# Altium PCB PASS Capstone.PcbDoc (part 4 of 6) (continued)
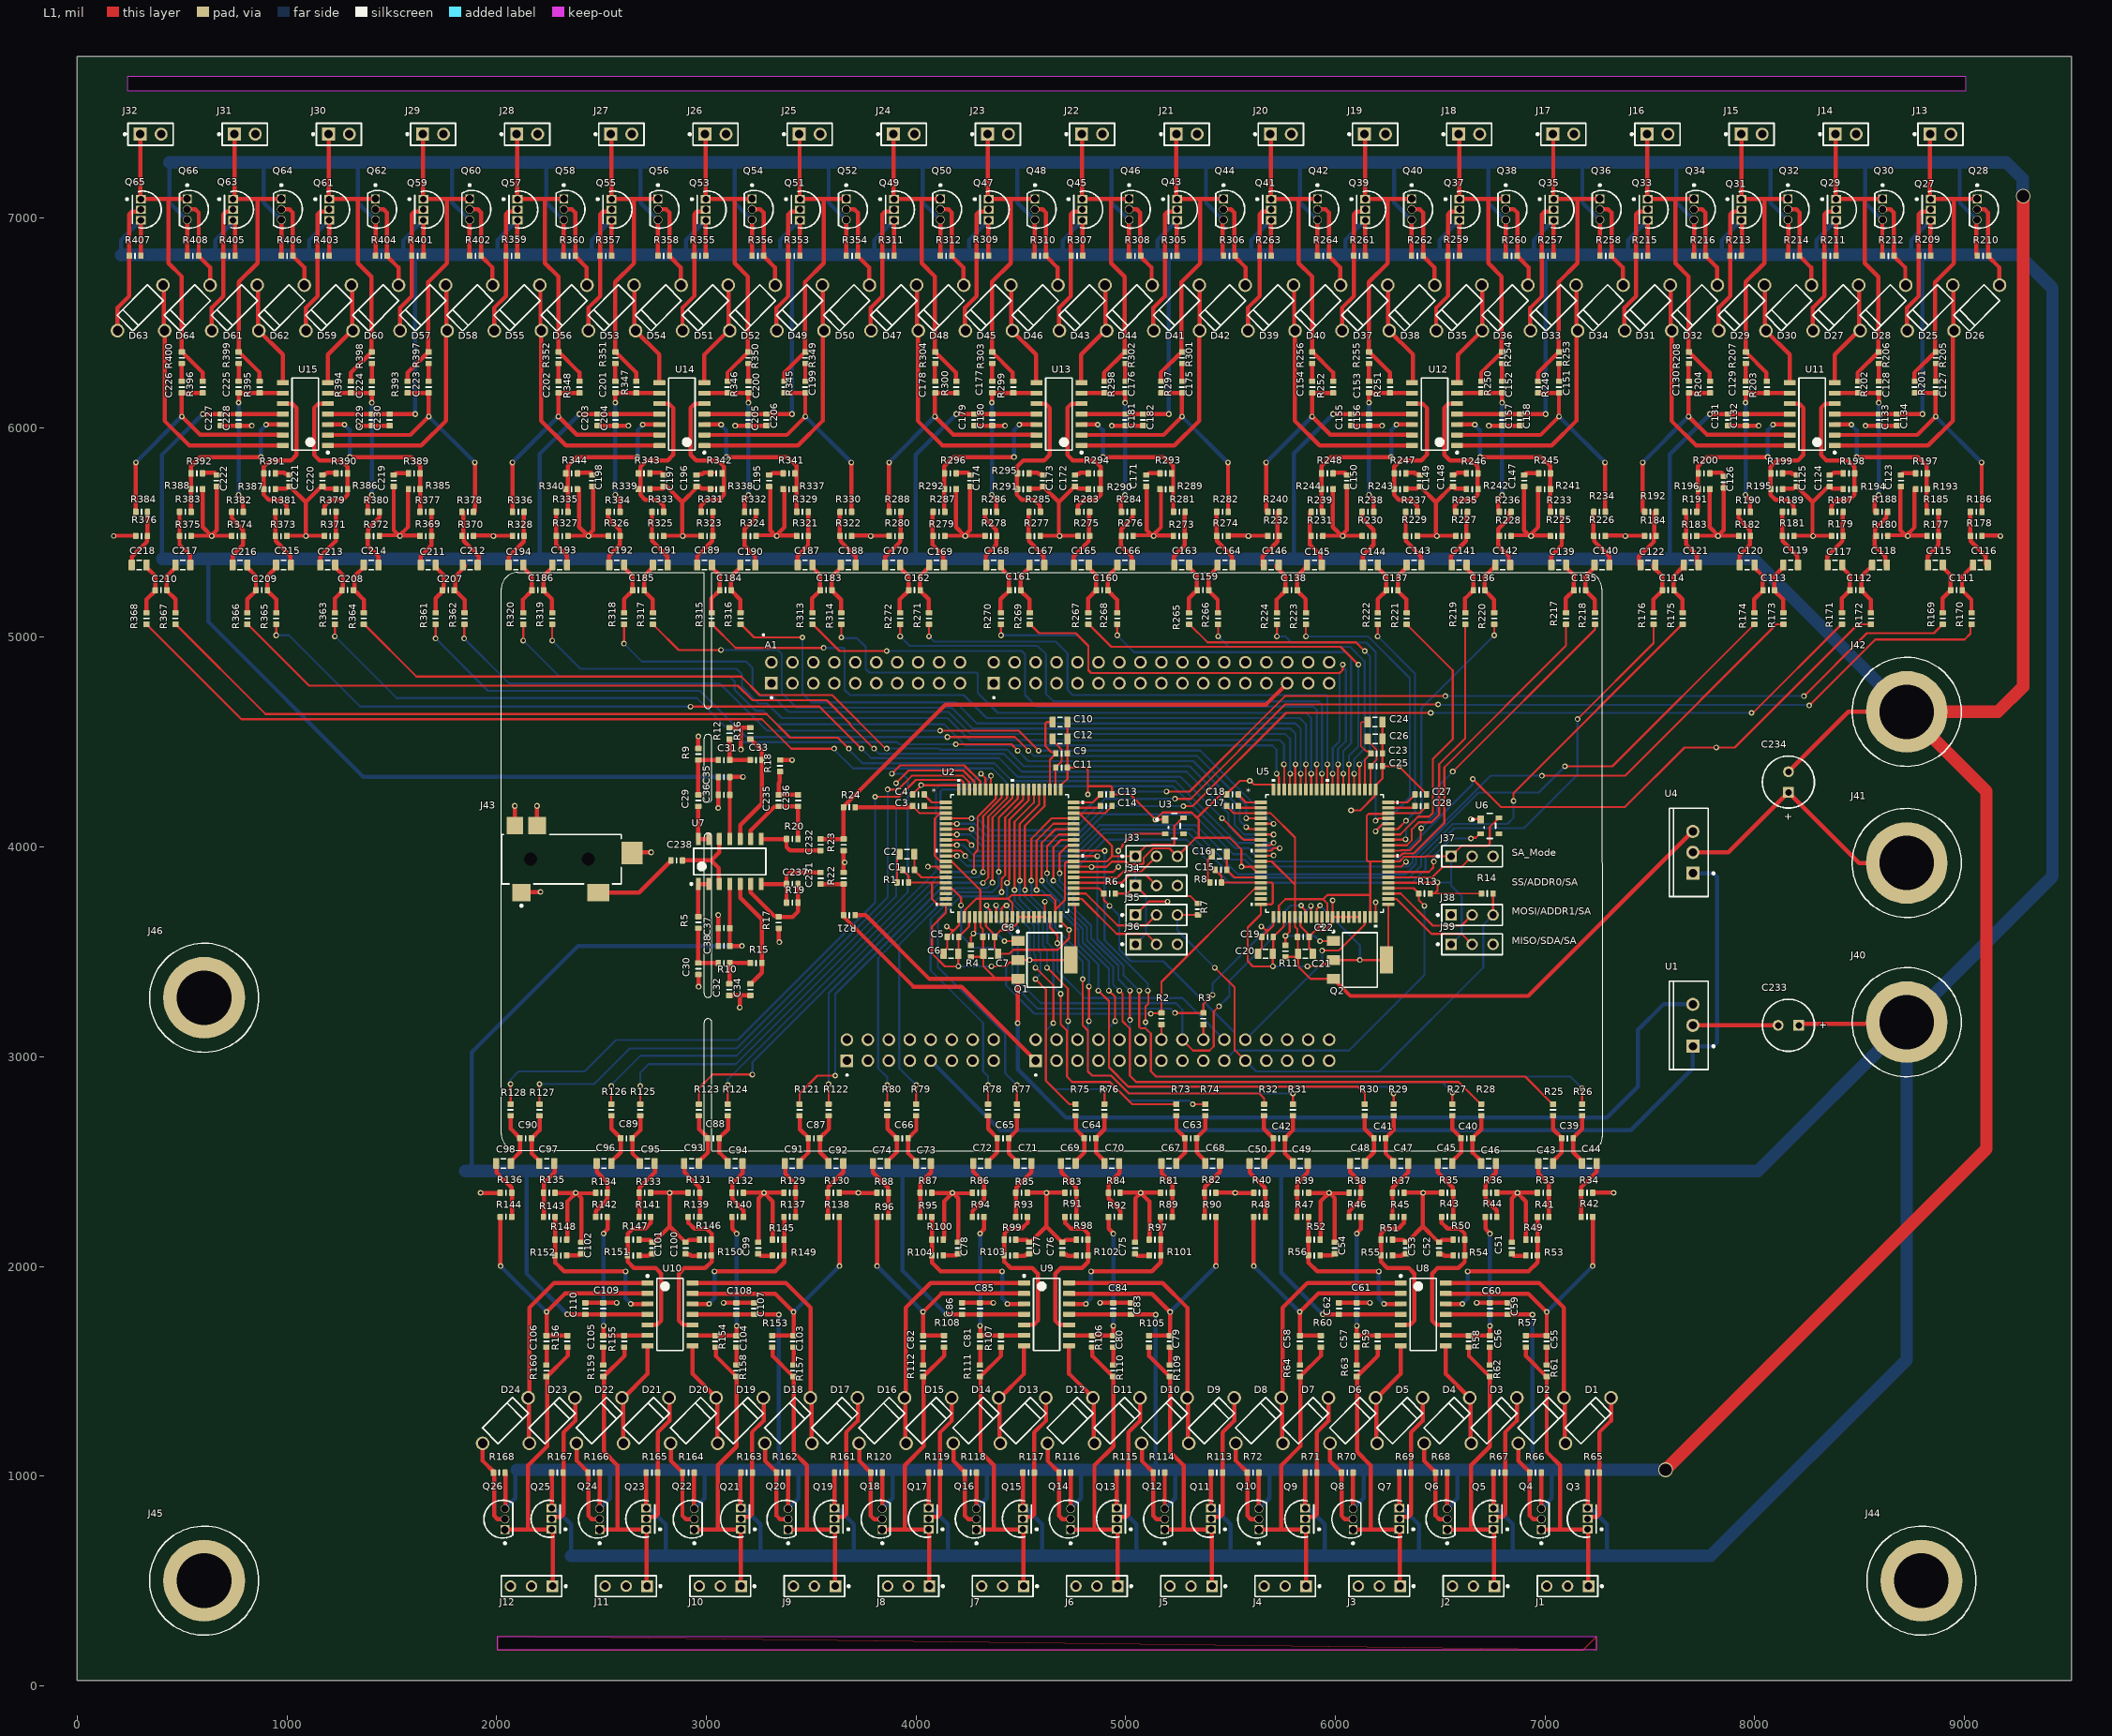
[diagram p0: L1 view]
## Nets (pads, with @x,y where several pads share a name; then routed paths per layer and width w, separated by ;. In a path a pad name is that pad's centre, name@x,y a point inside that pad or via, vN(x,y) a via of type N, cw(c..) or ccw(c..) an arc to the next point about the centre after c; other vN are vias at no path point) (continued)
  L1 w20: U13.2@4787.38,5965.63 5180.67,5965.63 5267.96,6052.91 5267.96,6165.59 R297.2@5167.96,6165.59 ; v1(5487.86,5834.63) 5488.23,5834.25 R282.1@5488.23,5600
  L2 w20: v1@5269.14,6053.13 5487.64,5834.63 v1(5487.86,5834.63)
  other v1: 5268.92,6053.13
NetC175_2: C175.2 R301.2 | length 84.9
  L1 w20: C175.2@5267.96,6220.71 R301.2@5267.96,6305.59
NetC176_1: C176.1 R284.1 R298.2 U13.6 | length 783.1
  L1 w20: U13.6@4786.75,6165 R298.2@4896.3,6165 ; R298.2@4896.89,6165.59 4996.89,6165.59 v1(4996.89,6119.41) ; R284.1@4977.78,5600 4977.78,5658.4 4996.89,5677.51 v1(4996.89,5679.41)
  L2 w20: v1(4996.89,5679.41) v1(4996.89,6119.41)
NetC176_2: C176.2 R302.2 | length 84.9
  L1 w20: C176.2@4996.89,6220.71 R302.2@4996.89,6305.59
NetC177_1: C177.1 R286.1 R299.2 U13.9 | length 786.4
  L1 w20: v1(4361.75,5680) 4361.75,5678.11 4383.32,5656.53 R286.1@4383.32,5600 ; v1(4361.75,6120) 4361.75,6166.19 4461.75,6166.19 4462.34,6165.59 4571.89,6165.59 U13.9@4572.49,6165
  L2 w20: v1(4361.75,5680) v1(4361.75,6120)
NetC177_2: C177.2 R303.2 | length 84.9
  L1 w20: C177.2@4361.75,6221.31 R303.2@4361.75,6306.19
NetC178_1: C178.1 R288.1 R300.2 U13.13 | length 1277.6
  L1 w20: R288.1@3871,5600 3871.38,5600.37 3871.38,5834.63 v1@3871.75,5835 ; R300.2@4191.91,6164.97 4190.69,6166.19 4090.69,6166.19 v1(4090.69,6053.5) 4177.97,5966.22 4571.27,5966.22 U13.13@4572.49,5965
  L2 w20: v1@3871.75,5835 3871.97,5835 4090.47,6053.5 v1(4090.69,6053.5)
  other v1: 3871.75,5834.63
NetC178_2: C178.2 R304.2 | length 84.9
  L1 w20: C178.2@4090.69,6221.31 R304.2@4090.69,6306.19
NetC183_1: C183.1 C187.1 R313.2 | length 256.6
  L1 w20: R313.2@3505.06,5121.13 3505.06,5185.99 3543.24,5224.17 3543.24,5226.13 3543.24,5297.32 3505.06,5335.5 C187.1@3505.06,5346.13
NetC183_2: C183.2 C188.1 R314.2 | length 262
  L1 w20: R314.2@3642.98,5121.13 3642.98,5179.55 3598.36,5224.17 3598.36,5226.13 3598.36,5290.88 3642.98,5335.5 C188.1@3642.98,5346.13
NetC184_1: C184.1 C189.1 R315.2 | length 257
  L1 w20: R315.2@3024.74,5121.16 3024.74,5185.59 3063.35,5224.2 3063.35,5226.16 3063.35,5296.92 3024.74,5335.53 C189.1@3024.74,5346.16
NetC184_2: C184.2 C190.1 R316.2 | length 261.6
  L1 w20: R316.2@3162.65,5121.16 3162.65,5180.02 3118.47,5224.2 3118.47,5226.16 3118.47,5291.35 3162.65,5335.53 C190.1@3162.65,5346.16
NetC185_1: C185.1 C191.1 R317.2 | length 259.5
  L1 w20: R317.2@2744.92,5120 2744.92,5181.42 2703.31,5223.04 2703.31,5225 2703.31,5292.75 2744.92,5334.37 C191.1@2744.92,5345
NetC185_2: C185.2 C192.1 R318.2 | length 259.1
  L1 w20: R318.2@2607.01,5120 2607.01,5181.86 2648.19,5223.04 2648.19,5225 2648.19,5293.19 2607.01,5334.37 C192.1@2607.01,5345
NetC186_1: C186.1 C193.1 R319.2 | length 259.1
  L1 w20: R319.2@2264.49,5120 2264.49,5181.86 2223.31,5223.04 2223.31,5225 2223.31,5293.19 2264.49,5334.37 C193.1@2264.49,5345
NetC186_2: C186.2 C194.1 R320.2 | length 259.8
  L1 w20: R320.2@2126.18,5120 2126.18,5181.03 2168.19,5223.04 2168.19,5225 2168.19,5292.36 2126.18,5334.37 C194.1@2126.18,5345
NetC187_2: C187.2 R321.2 R329.2 | length 273.8
  L1 w20: C187.2@3434.59,5346.13 3434.59,5387.99 3485.38,5438.78 R321.2@3485.38,5486.13 ; R329.2@3485.72,5600 3485.72,5495.71 3490.34,5491.09 R321.2@3488.38,5491.09
NetC188_2: C188.2 R322.1 R330.2 | length 282.8
  L1 w20: R330.2@3637.11,5600 3637.11,5485 3639.82,5482.3 3639.82,5459.22 3711.57,5387.46 C188.2@3711.57,5348
NetC189_2: C189.2 R323.2 R331.2 | length 280
  L1 w20: C189.2@2955.75,5350 2955.75,5387.04 3028.28,5459.57 R323.2@3028.28,5485 ; R323.2@3029.99,5485 R331.2@3029.99,5600
NetC190_2: C190.2 R324.1 R332.2 | length 295.7
  L1 w20: R324.1@3181.78,5485 3183.01,5486.22 3183.01,5517.26 3236.9,5571.15 R332.2@3236.9,5600 ; R324.1@3181.95,5485 3181.95,5437.09 3232.73,5386.3 C190.2@3232.73,5348.12
NetC191_2: C191.2 R325.2 R333.2 | length 283.2
  L1 w20: R333.2@2740.99,5600 2740.99,5485 2743,5482.98 2743,5458.93 2813.52,5388.41 C191.2@2813.52,5346.88
NetC192_2: C192.2 R326.1 R334.2 | length 298.9
  L1 w20: R334.2@2532.2,5600 2532.2,5568.54 2587.29,5513.45 R326.1@2587.29,5485.03 ; C192.2@2536.54,5345 2536.54,5389.94 2587.32,5440.73 R326.1@2587.32,5485
NetC193_2: C193.2 R327.2 R335.2 | length 276
  L1 w20: R335.2@2283.78,5600 2283.78,5485 2283.78,5442.56 2334.57,5391.77 C193.2@2334.57,5345
NetC194_2: C194.2 R328.1 R336.2 | length 285.8
  L1 w20: C194.2@2056.1,5345 2057.29,5346.19 2057.29,5385.69 2129.31,5457.72 2129.31,5483.8 R328.1@2130.51,5485 ; R328.1@2130.12,5485 R336.2@2130.12,5600
NetC195_2: C195.2 R341.2 | length 70.2
  L1 w20: C195.2@3305.35,5776.21 3307.31,5776.21 3314.75,5783.65 R341.2@3372.48,5783.65
NetC196_2: C196.2 R342.2 | length 67.9
  L1 w20: C196.2@2965.75,5776.21 2968.75,5779.21 2981.2,5779.21 2986.99,5785 R342.2@3029.99,5785
NetC197_2: C197.2 R343.2 | length 70.7
  L1 w20: R343.2@2740.99,5785 2783.99,5785 2789.78,5779.21 2805,5779.21 C197.2@2808,5776.21
NetC198_2: C198.2 R344.2 | length 70.2
  L1 w20: R344.2@2394.02,5785 2451.75,5785 2459.19,5777.56 C198.2@2461.15,5777.56
NetC199_1: C199.1 R330.1 R345.2 U14.2 | length 1273.4
  L1 w20: U14.2@2991.37,5965.63 3384.67,5965.63 3471.95,6052.91 3471.95,6165.59 R345.2@3371.95,6165.59 ; v1(3691.86,5834.63) 3692.23,5834.25 R330.1@3692.23,5600
  L2 w20: v1@3473.14,6053.13 3691.64,5834.63 v1(3691.86,5834.63)
  other v1: 3472.92,6053.13
NetC199_2: C199.2 R349.2 | length 84.9
  L1 w20: C199.2@3471.95,6220.71 R349.2@3471.95,6305.59
NetC200_1: C200.1 R332.1 R346.2 U14.6 | length 783.1
  L1 w20: U14.6@2990.75,6165 R346.2@3100.3,6165 ; R346.2@3100.89,6165.59 3200.89,6165.59 v1(3200.89,6119.41) ; R332.1@3181.78,5600 3181.78,5658.4 3200.89,5677.51 v1(3200.89,5679.41)
  L2 w20: v1(3200.89,5679.41) v1(3200.89,6119.41)
NetC200_2: C200.2 R350.2 | length 84.9
  L1 w20: C200.2@3200.89,6220.71 R350.2@3200.89,6305.59
NetC201_1: C201.1 R334.1 R347.2 U14.9 | length 786.4
  L1 w20: v1(2565.75,5680) 2565.75,5678.11 2587.32,5656.53 R334.1@2587.32,5600 ; v1(2565.75,6120) 2565.75,6166.19 2665.75,6166.19 2666.34,6165.59 2775.89,6165.59 U14.9@2776.49,6165
  L2 w20: v1(2565.75,5680) v1(2565.75,6120)
NetC201_2: C201.2 R351.2 | length 84.9
  L1 w20: C201.2@2565.75,6221.31 R351.2@2565.75,6306.19
NetC202_1: C202.1 R336.1 R348.2 U14.13 | length 1277.6
  L1 w20: R336.1@2075,5600 2075.37,5600.37 2075.37,5834.63 v1@2075.75,5835 ; R348.2@2395.91,6164.97 2394.69,6166.19 2294.69,6166.19 v1(2294.69,6053.5) 2381.97,5966.22 2775.27,5966.22 U14.13@2776.49,5965
  L2 w20: v1@2075.75,5835 2075.97,5835 2294.47,6053.5 v1(2294.69,6053.5)
  other v1: 2075.75,5834.63
NetC202_2: C202.2 R352.2 | length 84.9
  L1 w20: C202.2@2294.69,6221.31 R352.2@2294.69,6306.19
NetC207_1: C207.1 C211.1 R361.2 | length 256.6
  L1 w20: R361.2@1709.06,5121.13 1709.06,5185.99 1747.24,5224.17 1747.24,5226.13 1747.24,5297.32 1709.06,5335.5 C211.1@1709.06,5346.13
NetC207_2: C207.2 C212.1 R362.2 | length 262
  L1 w20: R362.2@1846.98,5121.13 1846.98,5179.55 1802.36,5224.17 1802.36,5226.13 1802.36,5290.88 1846.98,5335.5 C212.1@1846.98,5346.13
NetC208_1: C208.1 C213.1 R363.2 | length 257
  L1 w20: R363.2@1228.73,5121.16 1228.73,5185.59 1267.35,5224.2 1267.35,5226.16 1267.35,5296.92 1228.73,5335.53 C213.1@1228.73,5346.16
NetC208_2: C208.2 C214.1 R364.2 | length 261.6
  L1 w20: R364.2@1366.65,5121.16 1366.65,5180.02 1322.47,5224.2 1322.47,5226.16 1322.47,5291.35 1366.65,5335.53 C214.1@1366.65,5346.16
NetC209_1: C209.1 C215.1 R365.2 | length 259.5
  L1 w20: R365.2@948.92,5120 948.92,5181.42 907.31,5223.04 C209.1@907.31,5225 907.31,5292.75 948.92,5334.37 C215.1@948.92,5345
NetC209_2: C209.2 C216.1 R366.2 | length 259.1
  L1 w20: R366.2@811.01,5120 811.01,5181.86 852.19,5223.04 C209.2@852.19,5225 852.19,5293.19 811.01,5334.37 C216.1@811.01,5345
NetC210_1: C210.1 C217.1 R367.2 | length 259.1
  L1 w20: R367.2@468.49,5120 468.49,5181.86 427.31,5223.04 C210.1@427.31,5225 427.31,5293.19 468.49,5334.37 C217.1@468.49,5345
NetC210_2: C210.2 C218.1 R368.2 | length 259.8
  L1 w20: R368.2@330.18,5120 330.18,5181.03 372.19,5223.04 C210.2@372.19,5225 372.19,5292.36 330.18,5334.37 C218.1@330.18,5345
NetC211_2: C211.2 R369.2 R377.2 | length 273.8
  L1 w20: C211.2@1638.59,5346.13 1638.59,5387.99 1689.38,5438.78 R369.2@1689.38,5486.13 ; R377.2@1689.72,5600 1689.72,5495.71 1694.34,5491.09 R369.2@1692.38,5491.09
NetC212_2: C212.2 R370.1 R378.2 | length 282.8
  L1 w20: R378.2@1841.11,5600 1841.11,5485 1843.82,5482.3 1843.82,5459.22 1915.57,5387.46 C212.2@1915.57,5348
NetC213_2: C213.2 R371.2 R379.2 | length 280
  L1 w20: C213.2@1159.75,5350 1159.75,5387.04 1232.28,5459.57 R371.2@1232.28,5485 ; R371.2@1233.99,5485 R379.2@1233.99,5600
NetC214_2: C214.2 R372.1 R380.2 | length 295.7
  L1 w20: R372.1@1385.78,5485 1387.01,5486.22 1387.01,5517.26 1440.9,5571.15 R380.2@1440.9,5600 ; R372.1@1385.95,5485 1385.95,5437.09 1436.73,5386.3 C214.2@1436.73,5348.12
NetC215_2: C215.2 R373.2 R381.2 | length 283.2
  L1 w20: R381.2@944.99,5600 944.99,5485 947,5482.98 947,5458.93 1017.52,5388.41 C215.2@1017.52,5346.88
NetC216_2: C216.2 R374.1 R382.2 | length 298.9
  L1 w20: R382.2@736.2,5600 736.2,5568.54 791.29,5513.45 R374.1@791.29,5485.03 ; C216.2@740.53,5345 740.53,5389.94 791.32,5440.73 R374.1@791.32,5485
NetC217_2: C217.2 R375.2 R383.2 | length 276
  L1 w20: R383.2@487.78,5600 487.78,5485 487.78,5442.56 538.57,5391.77 C217.2@538.57,5345
NetC218_2: C218.2 R376.1 R384.2 | length 285.8
  L1 w20: C218.2@260.1,5345 261.29,5346.19 261.29,5385.69 333.31,5457.72 333.31,5483.8 R376.1@334.51,5485 ; R376.1@334.12,5485 R384.2@334.12,5600
NetC219_2: C219.2 R389.2 | length 70.2
  L1 w20: C219.2@1509.34,5776.21 1511.31,5776.21 1518.75,5783.65 R389.2@1576.48,5783.65
NetC220_2: C220.2 R390.2 | length 67.9
  L1 w20: C220.2@1169.75,5776.21 1172.75,5779.21 1185.2,5779.21 1190.99,5785 R390.2@1233.99,5785
NetC221_2: C221.2 R391.2 | length 70.7
  L1 w20: R391.2@944.99,5785 987.99,5785 993.78,5779.21 1009,5779.21 C221.2@1012,5776.21
NetC222_2: C222.2 R392.2 | length 70.2
  L1 w20: R392.2@598.02,5785 655.75,5785 663.19,5777.56 C222.2@665.15,5777.56
NetC223_1: C223.1 R378.1 R393.2 U15.2 | length 1273.4
  L1 w20: U15.2@1195.37,5965.63 1588.67,5965.63 1675.95,6052.91 1675.95,6165.59 R393.2@1575.95,6165.59 ; v1(1895.85,5834.63) 1896.23,5834.25 R378.1@1896.23,5600
  L2 w20: v1@1677.13,6053.13 1895.64,5834.63 v1(1895.85,5834.63)
  other v1: 1676.92,6053.13
NetC223_2: C223.2 R397.2 | length 84.9
  L1 w20: C223.2@1675.95,6220.71 R397.2@1675.95,6305.59
NetC224_1: C224.1 R380.1 R394.2 U15.6 | length 783.1
  L1 w20: U15.6@1194.75,6165 R394.2@1304.3,6165 ; R394.2@1304.89,6165.59 1404.89,6165.59 v1(1404.89,6119.41) ; R380.1@1385.78,5600 1385.78,5658.4 1404.89,5677.51 v1(1404.89,5679.41)
  L2 w20: v1(1404.89,5679.41) v1(1404.89,6119.41)
NetC224_2: C224.2 R398.2 | length 84.9
  L1 w20: C224.2@1404.89,6220.71 R398.2@1404.89,6305.59
NetC225_1: C225.1 R382.1 R395.2 U15.9 | length 786.4
  L1 w20: v1(769.75,5680) 769.75,5678.11 791.32,5656.53 R382.1@791.32,5600 ; v1(769.75,6120) C225.1@769.75,6166.19 R395.2@869.75,6166.19 870.34,6165.59 979.89,6165.59 U15.9@980.48,6165
  L2 w20: v1(769.75,5680) v1(769.75,6120)
NetC225_2: C225.2 R399.2 | length 84.9
  L1 w20: C225.2@769.75,6221.31 R399.2@769.75,6306.19
NetC226_1: C226.1 R384.1 R396.2 U15.13 | length 1277.6
  L1 w20: R384.1@279,5600 279.37,5600.37 279.37,5834.63 v1@279.75,5835 ; R396.2@599.9,6164.97 R396.2@598.68,6166.19 C226.1@498.68,6166.19 v1(498.68,6053.5) 585.97,5966.22 979.26,5966.22 U15.13@980.48,5965
  L2 w20: v1@279.75,5835 279.96,5835 498.47,6053.5 v1(498.68,6053.5)
  other v1: 279.75,5834.63
NetC226_2: C226.2 R400.2 | length 84.9
  L1 w20: C226.2@498.68,6221.31 R400.2@498.68,6306.19
NetC231_1: C231.1 C237.2 R19.1 U7.7 | length 417.3
  L1 w20: U7.7@3262.07,3823.94 C237.2@3382.55,3823.94 ; R19.1@3382.55,3735 C237.2@3382.55,3823.94 ; C231.1@3545,3879.06 3399.06,3879.06 3382.55,3862.55 C237.2@3382.55,3823.94
NetC232_1: C232.1 R20.1 U7.8 | length 328.4
  L1 w20: U7.8@3262.07,4038.5 R20.1@3382.55,4038.5 3382.55,3999.89 3399.05,3983.39 C232.1@3545,3983.39
NetC235_1: C235.1 C236.1 R20.2 U7.9 | length 465.8
  L1 w20: U7.9@3212.07,4038.5 3212.37,4038.8 3212.37,4079.81 3324.44,4191.88 C235.1@3342,4191.88 ; C235.1@3345,4194.12 C236.1@3437.67,4194.12 R20.2@3437.67,4038.5
NetC235_2: C235.2 C236.2 R18.1 | length 207.5
  L1 w20: R18.1@3351.69,4360.14 3349.73,4360.14 3349.73,4310 3345,4305.27 C235.2@3345,4249.24 C236.2@3437.67,4249.24
NetC237_1: C237.1 R17.1 R19.2 U7.6 | length 456.1
  L1 w20: U7.6@3212.07,3823.94 3212.37,3823.64 3212.37,3782.63 3324.44,3670.56 3342,3670.56 R17.1@3345,3667.56 3412.56,3667.56 3437.67,3692.67 R19.2@3437.67,3735 C237.1@3437.67,3823.94
NetC238_1: C238.1 U7.3 U7.12 | length 383.7
  L1 w20: C238.1@2886.4,3936.22 3023.78,3936.22 ; U7.3@3062.07,3823.94 3060.26,3825.75 3060.26,3899.74 3023.78,3936.22 ; U7.12@3062.07,4038.5 3062.07,3974.51 3023.78,3936.22
NetC238_2: C238.2 J43.3 | length 411.3
  L1 w20: J43.3@2484.59,3782.9 2679.92,3782.9 2831.28,3934.26 C238.2@2831.28,3936.22
NetD1_1: D1.1 D2.2 U8.14 | length 1262.7
  L1 w20: U8.14@6526.33,1921.22 6972.07,1921.22 7090.11,1803.18 D2.2@7090.11,1373.36 7093.84,1369.63 7093.84,1159.95 D1.1@7097.57,1156.22
NetD1_2: D1.2 Q3.2 R65.2 | length 642.4
  L1 w20: Q3.2@7203.52,796.22 7213.21,805.91 7245.97,805.91 7258.64,818.58 7258.64,1208.58 7314.71,1264.65 D1.2@7314.72,1373.36
NetD2_1: D2.1 Q4.2 R66.1 | length 429.7
  L1 w20: D2.1@6872.96,1156.22 6872.96,1072.55 6927.33,1018.18 R66.1@6927.33,1016.22 6927.33,810.96 6943.64,794.65 Q4.2@6982.45,794.65
NetD3_1: D3.1 D4.2 U8.8 | length 520.8
  L1 w20: U8.8@6526.33,1621.22 6526.33,1487.93 D4.2@6640.89,1373.36 6644.63,1369.63 D3.1@6644.63,1159.95 ; D3.1@6644.63,1159.95 D3.1@6648.36,1156.22 D3.1@6644.63,1159.95
NetD3_2: D3.2 Q5.2 R67.2 | length 642.4
  L1 w20: Q5.2@6754.31,796.22 6763.99,805.91 6796.75,805.91 6809.43,818.58 6809.43,1208.58 6865.5,1264.65 D3.2@6865.5,1373.36
NetD4_1: D4.1 Q6.2 R68.1 | length 429.7
  L1 w20: D4.1@6423.96,1156.22 6423.96,1072.55 R68.1@6478.33,1018.18 ; R68.1@6478.33,1016.22 6478.33,810.96 6494.64,794.65 Q6.2@6533.45,794.65 ; Q6.2@6531.81,796.07 Q6.2@6533.24,794.65
NetD5_1: D5.1 D6.2 U8.7 | length 515.5
  L1 w20: D6.2@6191.68,1373.36 6195.41,1369.63 6195.41,1159.95 D5.1@6199.15,1156.22 ; D6.2@6197.2,1373.36 6311.77,1487.93 U8.7@6311.77,1621.22
NetD5_2: D5.2 Q7.2 R69.2 | length 642.4
  L1 w20: Q7.2@6305.31,796.22 6314.99,805.91 6347.75,805.91 6360.43,818.58 6360.43,1208.58 6416.5,1264.65 D5.2@6416.5,1373.36
NetD6_1: D6.1 Q8.2 R70.1 | length 429.7
  L1 w20: D6.1@5974.96,1156.22 5974.96,1072.55 R70.1@6029.33,1018.18 ; R70.1@6029.33,1016.22 6029.33,810.96 6045.64,794.65 Q8.2@6084.45,794.65 ; Q8.2@6082.81,796.07 Q8.2@6084.24,794.65
NetD7_1: D7.1 D8.2 U8.1 | length 1262.7
  L1 w20: D8.2@5742.47,1373.36 5746.2,1369.63 5746.2,1159.95 D7.1@5749.93,1156.22 ; D8.2@5747.99,1373.36 5747.99,1803.18 5866.03,1921.22 U8.1@6311.77,1921.22
NetD7_2: D7.2 Q9.2 R71.2 | length 642.4
  L1 w20: Q9.2@5856.31,796.22 5865.99,805.91 5898.75,805.91 5911.43,818.58 5911.43,1208.58 5967.5,1264.65 D7.2@5967.5,1373.36
NetD8_1: D8.1 Q10.2 R72.1 | length 427.7
  L1 w20: D8.1@5525.96,1156.22 5525.96,1072.55 R72.1@5580.33,1018.18 ; R72.1@5580.33,1016.22 5580.33,810.96 5596.64,794.65 Q10.2@5635.45,794.65
NetD9_1: D9.1 D10.2 U9.14 | length 1262.7
  L1 w20: U9.14@4730.33,1921.22 5176.07,1921.22 5294.11,1803.18 5294.11,1373.36 5297.84,1369.63 5297.84,1159.95 D9.1@5301.57,1156.22
NetD9_2: D9.2 Q11.2 R113.2 | length 642.4
  L1 w20: Q11.2@5407.52,796.22 5417.2,805.91 5449.97,805.91 5462.64,818.58 5462.64,1208.58 5518.71,1264.65 D9.2@5518.71,1373.36
NetD10_1: D10.1 Q12.2 R114.1 | length 429.7
  L1 w20: D10.1@5076.96,1156.22 5076.96,1072.55 5131.33,1018.18 R114.1@5131.33,1016.22 5131.33,810.96 5147.64,794.65 Q12.2@5186.45,794.65
NetD11_1: D11.1 D12.2 U9.8 | length 520.8
  L1 w20: U9.8@4730.33,1621.22 4730.33,1487.93 4844.89,1373.36 4848.63,1369.63 D11.1@4848.63,1159.95 ; D11.1@4848.63,1159.95 4852.36,1156.22 D11.1@4848.63,1159.95
NetD11_2: D11.2 Q13.2 R115.2 | length 642.4
  L1 w20: Q13.2@4958.31,796.22 4967.99,805.91 5000.75,805.91 5013.43,818.58 5013.43,1208.58 5069.5,1264.65 D11.2@5069.5,1373.36
NetD12_1: D12.1 Q14.2 R116.1 | length 426.6
  L1 w20: D12.1@4627.96,1156.22 4627.96,1072.55 R116.1@4682.33,1018.18 ; R116.1@4682.33,1016.22 4682.33,810.96 4698.64,794.65 4734.39,794.65 Q14.2@4735.81,796.07
NetD13_1: D13.1 D14.2 U9.7 | length 515.5
  L1 w20: D14.2@4395.68,1373.36 4399.41,1369.63 4399.41,1159.95 D13.1@4403.14,1156.22 ; D14.2@4401.2,1373.36 4515.76,1487.93 U9.7@4515.76,1621.22
NetD13_2: D13.2 Q15.2 R117.2 | length 642.4
  L1 w20: Q15.2@4509.31,796.22 4518.99,805.91 4551.75,805.91 4564.43,818.58 4564.43,1208.58 4620.5,1264.65 D13.2@4620.5,1373.36
NetD14_1: D14.1 Q16.2 R118.1 | length 429.7
  L1 w20: D14.1@4178.96,1156.22 4178.96,1072.55 R118.1@4233.33,1018.18 ; R118.1@4233.33,1016.22 4233.33,810.96 4249.64,794.65 Q16.2@4288.45,794.65 ; Q16.2@4286.81,796.07 Q16.2@4288.24,794.65
NetD15_1: D15.1 D16.2 U9.1 | length 1262.7
  L1 w20: D16.2@3946.47,1373.36 3950.2,1369.63 3950.2,1159.95 D15.1@3953.93,1156.22 ; D16.2@3951.99,1373.36 3951.99,1803.18 4070.03,1921.22 U9.1@4515.76,1921.22
NetD15_2: D15.2 Q17.2 R119.2 | length 642.4
  L1 w20: Q17.2@4060.31,796.22 4069.99,805.91 4102.75,805.91 4115.42,818.58 4115.42,1208.58 4171.5,1264.65 D15.2@4171.5,1373.36
NetD16_1: D16.1 Q18.2 R120.1 | length 427.7
  L1 w20: D16.1@3729.96,1156.22 3729.96,1072.55 R120.1@3784.33,1018.18 ; R120.1@3784.33,1016.22 3784.33,810.96 3800.64,794.65 Q18.2@3839.45,794.65
NetD17_1: D17.1 D18.2 U10.14 | length 1262.7
  L1 w20: U10.14@2934.33,1921.22 3380.07,1921.22 3498.1,1803.18 3498.1,1373.36 3501.84,1369.63 3501.84,1159.95 D17.1@3505.57,1156.22
NetD17_2: D17.2 Q19.2 R161.2 | length 642.4
  L1 w20: Q19.2@3611.52,796.22 3621.2,805.91 3653.96,805.91 3666.64,818.58 3666.64,1208.58 3722.71,1264.65 D17.2@3722.71,1373.36
NetD18_1: D18.1 Q20.2 R162.1 | length 429.7
  L1 w20: D18.1@3280.96,1156.22 3280.96,1072.55 3335.33,1018.18 R162.1@3335.33,1016.22 3335.33,810.96 3351.64,794.65 Q20.2@3390.45,794.65
NetD19_1: D19.1 D20.2 U10.8 | length 520.8
  L1 w20: U10.8@2934.33,1621.22 2934.33,1487.93 3048.89,1373.36 3052.62,1369.63 D19.1@3052.62,1159.95 ; D19.1@3052.62,1159.95 3056.36,1156.22 D19.1@3052.62,1159.95
NetD19_2: D19.2 Q21.2 R163.2 | length 642.4
  L1 w20: Q21.2@3162.31,796.22 3171.99,805.91 3204.75,805.91 3217.42,818.58 3217.42,1208.58 3273.5,1264.65 D19.2@3273.5,1373.36
NetD20_1: D20.1 Q22.2 R164.1 | length 429.7
  L1 w20: D20.1@2831.96,1156.22 2831.96,1072.55 R164.1@2886.33,1018.18 ; R164.1@2886.33,1016.22 2886.33,810.96 2902.64,794.65 Q22.2@2941.45,794.65 ; Q22.2@2939.81,796.07 Q22.2@2941.24,794.65
NetD21_1: D21.1 D22.2 U10.7 | length 515.5
  L1 w20: D22.2@2599.68,1373.36 2603.41,1369.63 2603.41,1159.95 D21.1@2607.14,1156.22 ; D22.2@2605.2,1373.36 2719.76,1487.93 U10.7@2719.76,1621.22
NetD21_2: D21.2 Q23.2 R165.2 | length 642.4
  L1 w20: Q23.2@2713.31,796.22 2722.99,805.91 2755.75,805.91 2768.42,818.58 2768.42,1208.58 2824.5,1264.65 D21.2@2824.5,1373.36
NetD22_1: D22.1 Q24.2 R166.1 | length 429.7
  L1 w20: D22.1@2382.96,1156.22 2382.96,1072.55 R166.1@2437.33,1018.18 ; R166.1@2437.33,1016.22 2437.33,810.96 2453.64,794.65 Q24.2@2492.45,794.65 ; Q24.2@2490.81,796.07 Q24.2@2492.24,794.65
NetD23_1: D23.1 D24.2 U10.1 | length 1262.7
  L1 w20: D24.2@2150.47,1373.36 2154.2,1369.63 2154.2,1159.95 D23.1@2157.93,1156.22 ; D24.2@2155.99,1373.36 2155.99,1803.18 2274.03,1921.22 U10.1@2719.76,1921.22
NetD23_2: D23.2 Q25.2 R167.2 | length 642.4
  L1 w20: Q25.2@2264.31,796.22 2273.99,805.91 2306.75,805.91 2319.42,818.58 2319.42,1208.58 2375.5,1264.65 D23.2@2375.5,1373.36
NetD24_1: D24.1 Q26.2 R168.1 | length 427.7
  L1 w20: D24.1@1933.96,1156.22 1933.96,1072.55 R168.1@1988.33,1018.18 ; R168.1@1988.33,1016.22 1988.33,810.96 2004.64,794.65 Q26.2@2043.45,794.65
NetD25_1: D25.1 D26.2 U11.1 | length 1262.7
  L1 w20: U11.1@8381.39,5915 8827.13,5915 8945.17,6033.04 D26.2@8945.17,6462.86 ; D25.1@8943.22,6680 8946.95,6676.27 8946.95,6466.59 D26.2@8950.69,6462.86
NetD25_2: D25.2 Q27.2 R209.2 | length 642.4
  L1 w20: D25.2@8725.66,6462.86 8725.66,6571.57 8781.73,6627.64 8781.73,7017.64 8794.4,7030.31 8827.16,7030.31 Q27.2@8836.85,7040
NetD26_1: D26.1 Q28.2 R210.1 | length 427.7
  L1 w20: Q28.2@9057.71,7041.57 9096.51,7041.57 9112.82,7025.26 R210.1@9112.82,6820 ; R210.1@9112.82,6818.04 9167.19,6763.67 D26.1@9167.19,6680
NetD27_1: D27.1 D28.2 U11.7 | length 515.5
  L1 w20: U11.7@8381.39,6215 8381.39,6348.29 D28.2@8495.95,6462.86 ; D27.1@8494.01,6680 8497.74,6676.27 8497.74,6466.59 D28.2@8501.47,6462.86
NetD27_2: D27.2 Q29.2 R211.2 | length 642.4
  L1 w20: D27.2@8276.66,6462.86 8276.66,6571.57 8332.73,6627.64 8332.73,7017.64 8345.4,7030.31 8378.16,7030.31 Q29.2@8387.85,7040
NetD28_1: D28.1 Q30.2 R212.1 | length 429.7
  L1 w20: Q30.2@8608.71,7041.57 8647.51,7041.57 8663.82,7025.26 R212.1@8663.82,6820 ; Q30.2@8608.92,7041.57 Q30.2@8610.34,7040.15 ; R212.1@8663.82,6818.04 8718.19,6763.67 D28.1@8718.19,6680
NetD29_1: D29.1 D30.2 U11.8 | length 520.8
  L1 w20: U11.8@8166.82,6215 8166.82,6348.29 8052.26,6462.86 8048.53,6466.59 D29.1@8048.53,6676.27 ; D29.1@8048.53,6676.27 8044.8,6680 D29.1@8048.53,6676.27
NetD29_2: D29.2 Q31.2 R213.2 | length 642.4
  L1 w20: D29.2@7827.65,6462.86 7827.65,6571.57 7883.73,6627.64 7883.73,7017.64 7896.4,7030.31 7929.16,7030.31 Q31.2@7938.85,7040
NetD30_1: D30.1 Q32.2 R214.1 | length 429.7
  L1 w20: Q32.2@8159.71,7041.57 8198.51,7041.57 8214.82,7025.26 R214.1@8214.82,6820 ; Q32.2@8159.92,7041.57 Q32.2@8161.34,7040.15 ; R214.1@8214.82,6818.04 8269.19,6763.67 D30.1@8269.19,6680
NetD31_1: D31.1 D32.2 U11.14 | length 1262.7
  L1 w20: D31.1@7595.59,6680 7599.32,6676.27 7599.32,6466.59 7603.05,6462.86 7603.05,6033.04 7721.09,5915 U11.14@8166.82,5915
NetD31_2: D31.2 Q33.2 R215.2 | length 642.4
  L1 w20: D31.2@7378.44,6462.86 7378.44,6571.57 7434.52,6627.64 7434.52,7017.64 7447.19,7030.31 7479.95,7030.31 Q33.2@7489.64,7040
NetD32_1: D32.1 Q34.2 R216.1 | length 429.7
  L1 w20: Q34.2@7710.71,7041.57 7749.51,7041.57 7765.82,7025.26 R216.1@7765.82,6820 7765.82,6818.04 7820.19,6763.67 D32.1@7820.19,6680
NetD33_1: D33.1 D34.2 U12.1 | length 1262.7
  L1 w20: U12.1@6585.39,5915 7031.13,5915 7149.17,6033.04 D34.2@7149.17,6462.86 ; D33.1@7147.22,6680 7150.95,6676.27 7150.95,6466.59 D34.2@7154.68,6462.86
NetD33_2: D33.2 Q35.2 R257.2 | length 642.4
  L1 w20: D33.2@6929.65,6462.86 6929.65,6571.57 6985.73,6627.64 6985.73,7017.64 6998.4,7030.31 7031.16,7030.31 Q35.2@7040.85,7040
NetD34_1: D34.1 Q36.2 R258.1 | length 427.7
  L1 w20: Q36.2@7261.71,7041.57 7300.51,7041.57 7316.82,7025.26 R258.1@7316.82,6820 ; R258.1@7316.82,6818.04 7371.19,6763.67 D34.1@7371.19,6680
NetD35_1: D35.1 D36.2 U12.7 | length 515.5
  L1 w20: U12.7@6585.39,6215 6585.39,6348.29 D36.2@6699.95,6462.86 ; D35.1@6698.01,6680 6701.74,6676.27 6701.74,6466.59 D36.2@6705.47,6462.86
NetD35_2: D35.2 Q37.2 R259.2 | length 642.4
  L1 w20: D35.2@6480.65,6462.86 6480.65,6571.57 6536.73,6627.64 6536.73,7017.64 6549.4,7030.31 6582.16,7030.31 Q37.2@6591.85,7040
NetD36_1: D36.1 Q38.2 R260.1 | length 429.7
  L1 w20: Q38.2@6812.71,7041.57 6851.51,7041.57 6867.82,7025.26 R260.1@6867.82,6820 ; Q38.2@6812.92,7041.57 Q38.2@6814.34,7040.15 ; R260.1@6867.82,6818.04 6922.19,6763.67 D36.1@6922.19,6680
NetD37_1: D37.1 D38.2 U12.8 | length 520.8
  L1 w20: U12.8@6370.82,6215 6370.82,6348.29 6256.26,6462.86 6252.53,6466.59 D37.1@6252.53,6676.27 ; D37.1@6252.53,6676.27 6248.8,6680 D37.1@6252.53,6676.27
NetD37_2: D37.2 Q39.2 R261.2 | length 642.4
  L1 w20: D37.2@6031.65,6462.86 6031.65,6571.57 6087.73,6627.64 6087.73,7017.64 6100.4,7030.31 6133.16,7030.31 Q39.2@6142.85,7040
NetD38_1: D38.1 Q40.2 R262.1 | length 429.7
  L1 w20: Q40.2@6363.7,7041.57 6402.51,7041.57 6418.82,7025.26 R262.1@6418.82,6820 ; Q40.2@6363.92,7041.57 Q40.2@6365.34,7040.15 ; R262.1@6418.82,6818.04 6473.19,6763.67 D38.1@6473.19,6680
NetD39_1: D39.1 D40.2 U12.14 | length 1262.7
  L1 w20: D39.1@5799.58,6680 5803.32,6676.27 5803.32,6466.59 5807.05,6462.86 5807.05,6033.04 5925.09,5915 U12.14@6370.82,5915
NetD39_2: D39.2 Q41.2 R263.2 | length 642.4
  L1 w20: D39.2@5582.44,6462.86 5582.44,6571.57 5638.52,6627.64 5638.52,7017.64 5651.19,7030.31 5683.95,7030.31 Q41.2@5693.63,7040
NetD40_1: D40.1 Q42.2 R264.1 | length 429.7
  L1 w20: Q42.2@5914.7,7041.57 5953.51,7041.57 5969.82,7025.26 R264.1@5969.82,6820 5969.82,6818.04 6024.19,6763.67 D40.1@6024.19,6680
NetD41_1: D41.1 D42.2 U13.1 | length 1262.7
  L1 w20: U13.1@4787.05,5915 5232.79,5915 5350.83,6033.04 D42.2@5350.83,6462.86 ; D41.1@5348.89,6680 5352.62,6676.27 5352.62,6466.59 D42.2@5356.35,6462.86
NetD41_2: D41.2 Q43.2 R305.2 | length 642.4
  L1 w20: D41.2@5131.32,6462.86 5131.32,6571.57 5187.39,6627.64 5187.39,7017.64 5200.07,7030.31 5232.83,7030.31 Q43.2@5242.51,7040
NetD42_1: D42.1 Q44.2 R306.1 | length 427.7
  L1 w20: Q44.2@5463.37,7041.57 5502.18,7041.57 5518.49,7025.26 R306.1@5518.49,6820 ; R306.1@5518.49,6818.04 5572.86,6763.67 D42.1@5572.86,6680
NetD43_1: D43.1 D44.2 U13.7 | length 515.5
  L1 w20: U13.7@4787.05,6215 4787.05,6348.29 D44.2@4901.62,6462.86 ; D43.1@4899.67,6680 4903.4,6676.27 4903.4,6466.59 D44.2@4907.14,6462.86
NetD43_2: D43.2 Q45.2 R307.2 | length 642.4
  L1 w20: D43.2@4682.32,6462.86 4682.32,6571.57 4738.39,6627.64 4738.39,7017.64 4751.06,7030.31 4783.83,7030.31 Q45.2@4793.51,7040
NetD44_1: D44.1 Q46.2 R308.1 | length 429.7
  L1 w20: Q46.2@5014.37,7041.57 5053.18,7041.57 5069.49,7025.26 R308.1@5069.49,6820 ; Q46.2@5014.58,7041.57 Q46.2@5016.01,7040.15 ; R308.1@5069.49,6818.04 5123.86,6763.67 D44.1@5123.86,6680
NetD45_1: D45.1 D46.2 U13.8 | length 520.8
  L1 w20: U13.8@4572.49,6215 4572.49,6348.29 4457.92,6462.86 4454.19,6466.59 D45.1@4454.19,6676.27 ; D45.1@4454.19,6676.27 4450.46,6680 D45.1@4454.19,6676.27
NetD45_2: D45.2 Q47.2 R309.2 | length 642.4
  L1 w20: D45.2@4233.32,6462.86 4233.32,6571.57 4289.39,6627.64 4289.39,7017.64 4302.06,7030.31 4334.83,7030.31 Q47.2@4344.51,7040
NetD46_1: D46.1 Q48.2 R310.1 | length 429.7
  L1 w20: Q48.2@4565.37,7041.57 4604.18,7041.57 4620.49,7025.26 R310.1@4620.49,6820 ; Q48.2@4565.58,7041.57 Q48.2@4567.01,7040.15 ; R310.1@4620.49,6818.04 4674.86,6763.67 D46.1@4674.86,6680
NetD47_1: D47.1 D48.2 U13.14 | length 1262.7
  L1 w20: D47.1@4001.25,6680 4004.98,6676.27 4004.98,6466.59 4008.71,6462.86 4008.71,6033.04 4126.75,5915 U13.14@4572.49,5915
NetD47_2: D47.2 Q49.2 R311.2 | length 642.4
  L1 w20: D47.2@3784.11,6462.86 3784.11,6571.57 3840.18,6627.64 3840.18,7017.64 3852.85,7030.31 3885.61,7030.31 Q49.2@3895.3,7040
NetD48_1: D48.1 Q50.2 R312.1 | length 429.7
  L1 w20: Q50.2@4116.37,7041.57 4155.17,7041.57 4171.49,7025.26 R312.1@4171.49,6820 4171.49,6818.04 4225.85,6763.67 D48.1@4225.85,6680
NetD49_1: D49.1 D50.2 U14.1 | length 1262.7
  L1 w20: U14.1@2991.05,5915 3436.79,5915 3554.83,6033.04 D50.2@3554.83,6462.86 ; D49.1@3552.88,6680 3556.62,6676.27 3556.62,6466.59 D50.2@3560.35,6462.86
NetD49_2: D49.2 Q51.2 R353.2 | length 642.4
  L1 w20: D49.2@3335.32,6462.86 3335.32,6571.57 3391.39,6627.64 3391.39,7017.64 3404.06,7030.31 3436.82,7030.31 Q51.2@3446.51,7040
NetD50_1: D50.1 Q52.2 R354.1 | length 427.7
  L1 w20: Q52.2@3667.37,7041.57 3706.17,7041.57 3722.49,7025.26 R354.1@3722.49,6820 ; R354.1@3722.49,6818.04 3776.85,6763.67 D50.1@3776.85,6680
NetD51_1: D51.1 D52.2 U14.7 | length 515.5
  L1 w20: U14.7@2991.05,6215 2991.05,6348.29 D52.2@3105.62,6462.86 ; D51.1@3103.67,6680 3107.4,6676.27 3107.4,6466.59 D52.2@3111.14,6462.86
NetD51_2: D51.2 Q53.2 R355.2 | length 642.4
  L1 w20: D51.2@2886.32,6462.86 2886.32,6571.57 2942.39,6627.64 2942.39,7017.64 2955.06,7030.31 2987.82,7030.31 Q53.2@2997.51,7040
NetD52_1: D52.1 Q54.2 R356.1 | length 429.7
  L1 w20: Q54.2@3218.37,7041.57 3257.17,7041.57 3273.49,7025.26 R356.1@3273.49,6820 ; Q54.2@3218.58,7041.57 Q54.2@3220.01,7040.15 ; R356.1@3273.49,6818.04 3327.85,6763.67 D52.1@3327.85,6680